# Altium PCB Z693_H93-A_KD01_V1.3_X6.PcbDoc (part 2 of 7) (continued)
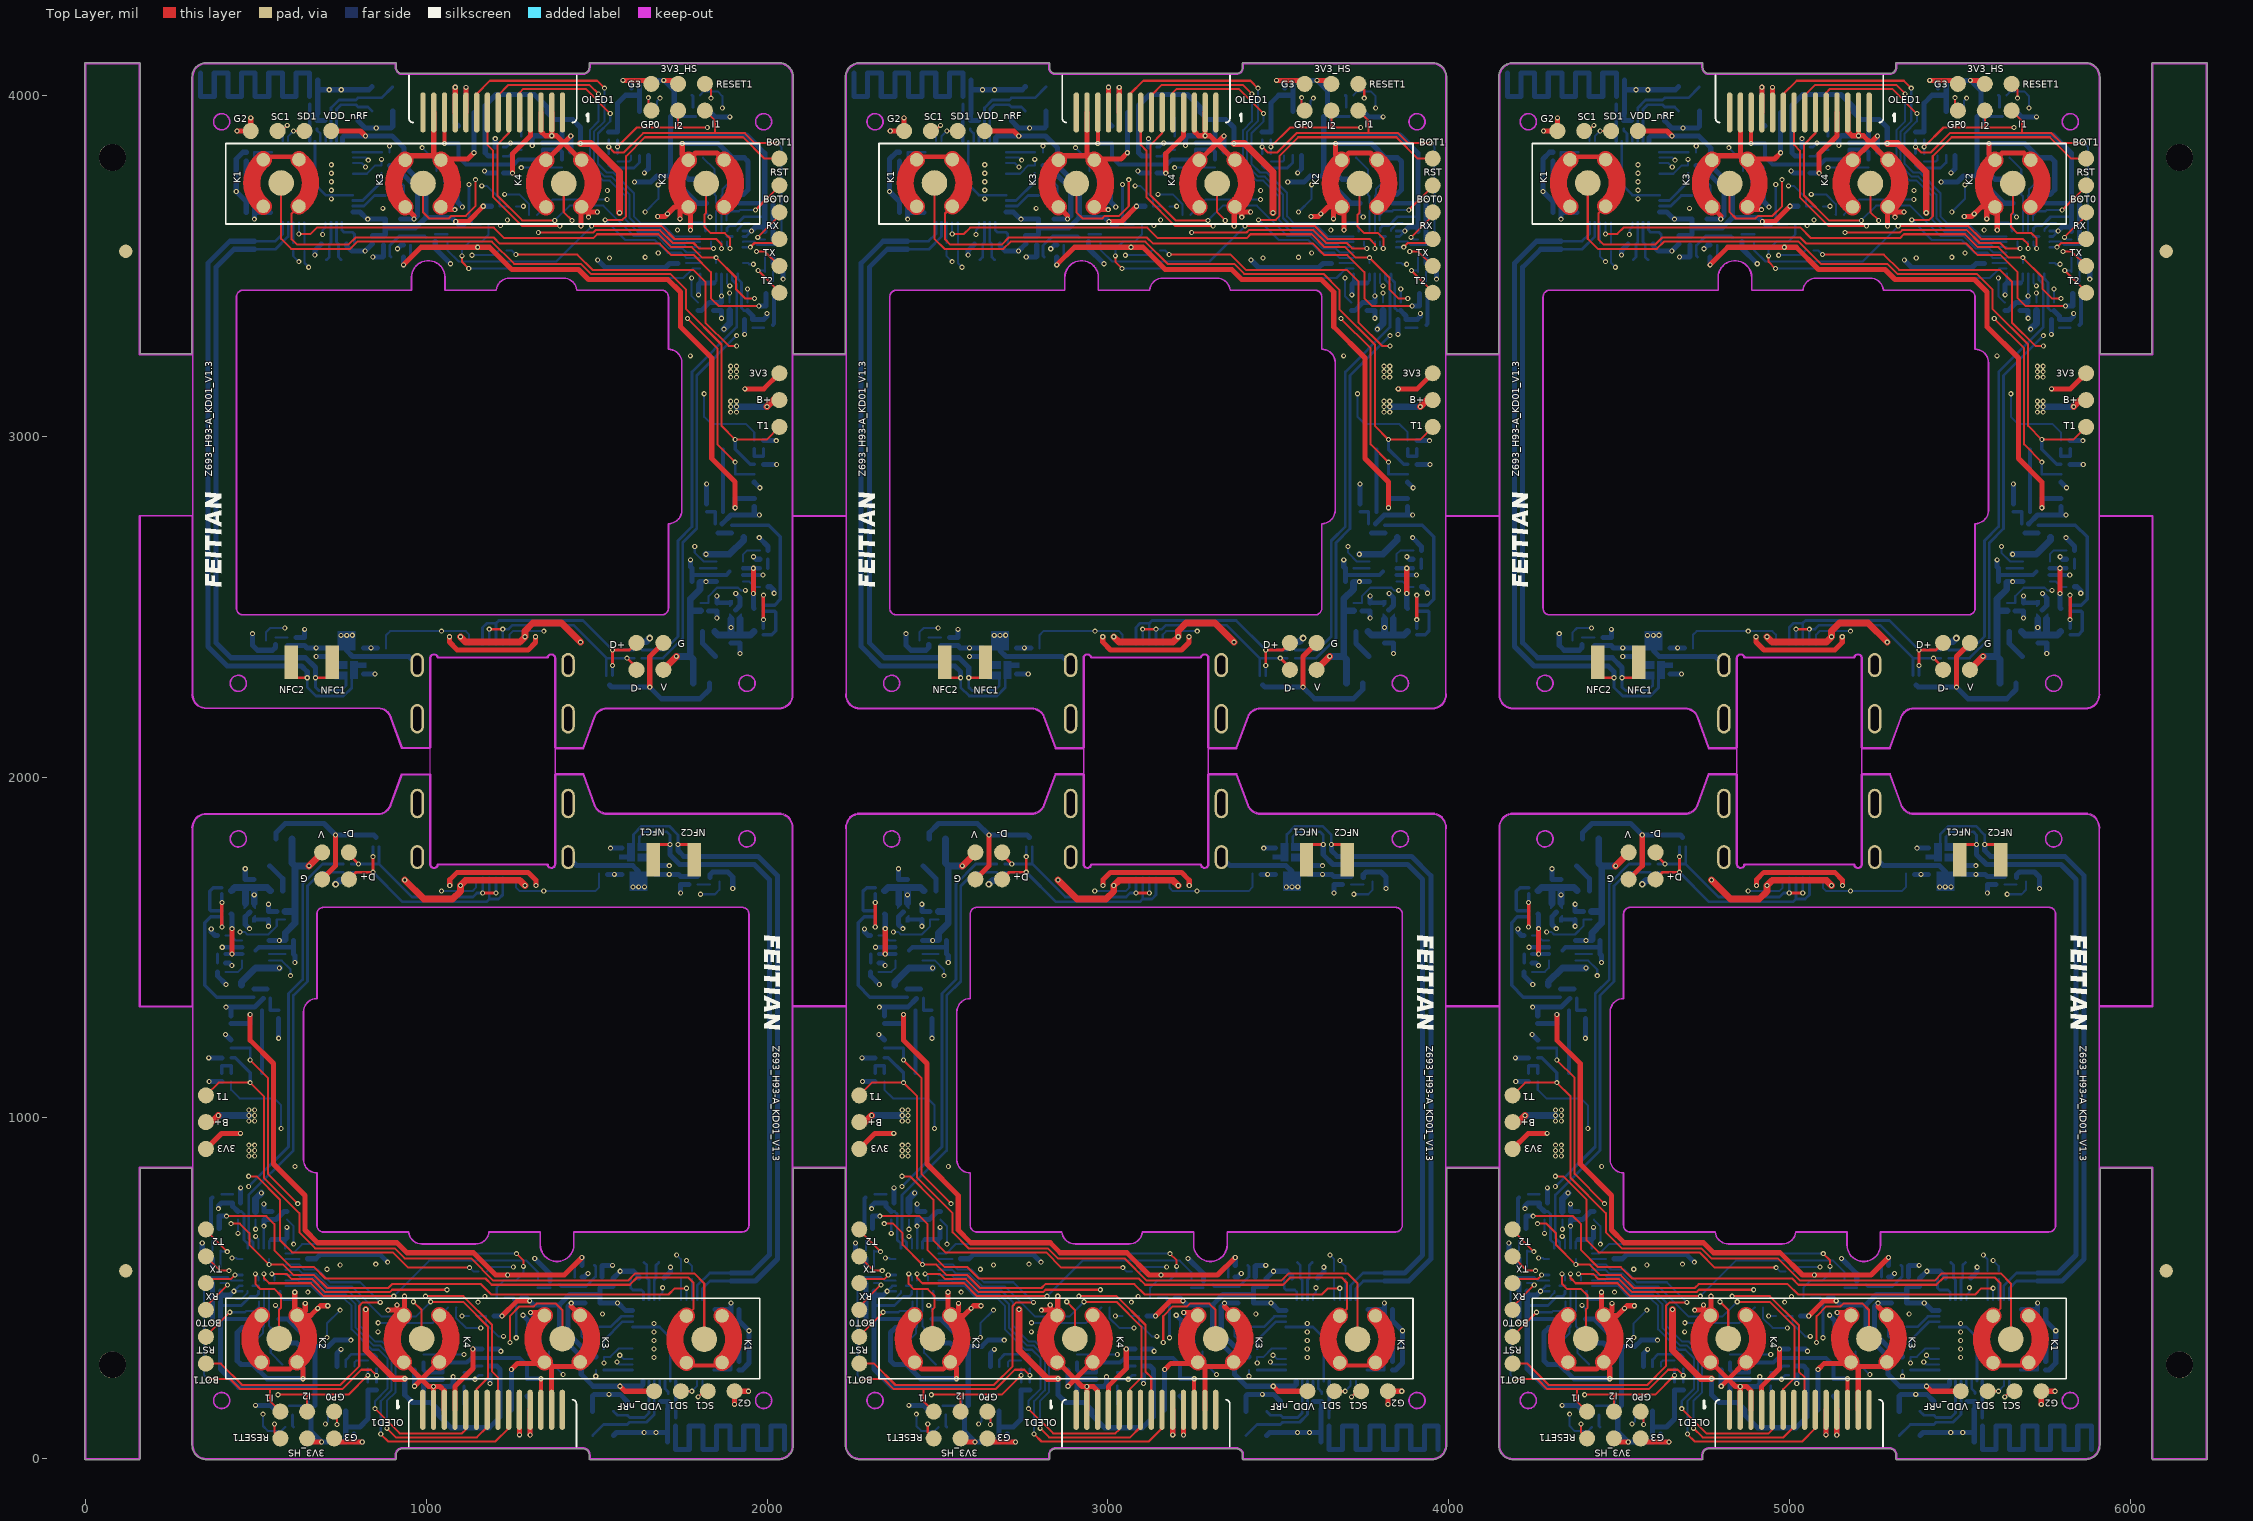
[diagram p0: Top Layer view]
## Components (designator, comment, footprint, x,y, rotation, side; value= is the part's Value field where it differs from the comment) (continued)
TX "" FT_TEST_1#1 2036.37,3500.45 r270 top
U1 "STM32F205RGY6(1M FLASH/128SRAM)" WLCSP64 460.27,617.59 r270 bottom locked
U1 "STM32F205RGY6(1M FLASH/128SRAM)" WLCSP64 2377.59,617.59 r270 bottom locked
U1 "STM32F205RGY6(1M FLASH/128SRAM)" WLCSP64 4294.92,617.59 r270 bottom locked
U1 "STM32F205RGY6(1M FLASH/128SRAM)" WLCSP64 5764.14,3476.9 r90 bottom locked
U1 "STM32F205RGY6(1M FLASH/128SRAM)" WLCSP64 3846.82,3476.9 r90 bottom locked
U1 "STM32F205RGY6(1M FLASH/128SRAM)" WLCSP64 1929.5,3476.9 r90 bottom locked
U2 "WL2815" FT_DFN1X1-4L 482.02,1604.33 r90 bottom
U2 "WL2815" FT_DFN1X1-4L 2399.34,1604.33 r90 bottom
U2 "WL2815" FT_DFN1X1-4L 4316.66,1604.33 r90 bottom
U2 "WL2815" FT_DFN1X1-4L 5742.4,2490.16 r270 bottom
U2 "WL2815" FT_DFN1X1-4L 3825.07,2490.16 r270 bottom
U2 "WL2815" FT_DFN1X1-4L 1907.75,2490.16 r270 bottom
U4 "DFN2*2-8L/WS4538D/2*2*0.75mm" FT_DFN2X2X0.75-8L 459.89,1461.57 r0 bottom
U4 "DFN2*2-8L/WS4538D/2*2*0.75mm" FT_DFN2X2X0.75-8L 2377.21,1461.57 r0 bottom
U4 "DFN2*2-8L/WS4538D/2*2*0.75mm" FT_DFN2X2X0.75-8L 4294.54,1461.57 r0 bottom
U4 "DFN2*2-8L/WS4538D/2*2*0.75mm" FT_DFN2X2X0.75-8L 5764.52,2632.92 r180 bottom
U4 "DFN2*2-8L/WS4538D/2*2*0.75mm" FT_DFN2X2X0.75-8L 3847.2,2632.92 r180 bottom
U4 "DFN2*2-8L/WS4538D/2*2*0.75mm" FT_DFN2X2X0.75-8L 1929.87,2632.92 r180 bottom
U5 "HSC32I1(DFN8)_S2V60" DFN8_NEW_MORE 712.26,270.1 r270 bottom
U5 "HSC32I1(DFN8)_S2V60" DFN8_NEW_MORE 2629.58,270.1 r270 bottom
U5 "HSC32I1(DFN8)_S2V60" DFN8_NEW_MORE 4546.91,270.1 r270 bottom
U5 "HSC32I1(DFN8)_S2V60" DFN8_NEW_MORE 5512.15,3824.4 r90 bottom
U5 "HSC32I1(DFN8)_S2V60" DFN8_NEW_MORE 3594.83,3824.4 r90 bottom
U5 "HSC32I1(DFN8)_S2V60" DFN8_NEW_MORE 1677.5,3824.4 r90 bottom
U6 "nRF52832-QFAA" QFN48N 1724.26,347.1 r270 bottom
U6 "nRF52832-QFAA" QFN48N 3641.58,347.1 r270 bottom
U6 "nRF52832-QFAA" QFN48N 5558.91,347.1 r270 bottom
U6 "nRF52832-QFAA" QFN48N 4500.15,3747.4 r90 bottom
U6 "nRF52832-QFAA" QFN48N 2582.83,3747.4 r90 bottom
U6 "nRF52832-QFAA" QFN48N 665.5,3747.4 r90 bottom
U7 "R1202L511A-TR/DFN1616-6B" DFN1616-6B 1079.26,233.1 r180 bottom
U7 "R1202L511A-TR/DFN1616-6B" DFN1616-6B 2996.58,233.1 r180 bottom
U7 "R1202L511A-TR/DFN1616-6B" DFN1616-6B 4913.91,233.1 r180 bottom
U7 "R1202L511A-TR/DFN1616-6B" DFN1616-6B 5145.15,3861.4 r0 bottom
U7 "R1202L511A-TR/DFN1616-6B" DFN1616-6B 3227.83,3861.4 r0 bottom
U7 "R1202L511A-TR/DFN1616-6B" DFN1616-6B 1310.5,3861.4 r0 bottom
U8 "USP-8B10/XCM414B033D2-G" XCM414-USP-8B10 1672.05,1791.69 r270 bottom
U8 "USP-8B10/XCM414B033D2-G" XCM414-USP-8B10 3589.37,1791.69 r270 bottom
U8 "USP-8B10/XCM414B033D2-G" XCM414-USP-8B10 5506.7,1791.69 r270 bottom
U8 "USP-8B10/XCM414B033D2-G" XCM414-USP-8B10 4552.37,2302.8 r90 bottom
U8 "USP-8B10/XCM414B033D2-G" XCM414-USP-8B10 2635.04,2302.8 r90 bottom
U8 "USP-8B10/XCM414B033D2-G" XCM414-USP-8B10 717.72,2302.8 r90 bottom
V "" FT_TEST_1#1 694.14,1779.24 r90 top
V "" FT_TEST_1#1 2611.47,1779.24 r90 top
V "" FT_TEST_1#1 4528.79,1779.24 r90 top
V "" FT_TEST_1#1 5530.27,2315.25 r270 top
V "" FT_TEST_1#1 3612.95,2315.25 r270 top
V "" FT_TEST_1#1 1695.62,2315.25 r270 top
VDD_nRF "" FT_TEST_1#1 1668.64,198 r0 top
VDD_nRF "" FT_TEST_1#1 3585.96,198 r0 top
VDD_nRF "" FT_TEST_1#1 5503.29,198 r0 top
VDD_nRF "" FT_TEST_1#1 4555.77,3896.49 r180 top
VDD_nRF "" FT_TEST_1#1 2638.45,3896.49 r180 top
VDD_nRF "" FT_TEST_1#1 721.13,3896.49 r180 top
X1 "SMD1610/32.768KHz/12.5P/1.6*1.0*0.5mm/2脚贴装" FT_OSC_32.768M_SMD_2 1639.26,576.1 r0 bottom
X1 "SMD1610/32.768KHz/12.5P/1.6*1.0*0.5mm/2脚贴装" FT_OSC_32.768M_SMD_2 3556.58,576.1 r0 bottom
X1 "SMD1610/32.768KHz/12.5P/1.6*1.0*0.5mm/2脚贴装" FT_OSC_32.768M_SMD_2 5473.91,576.1 r0 bottom
X1 "SMD1610/32.768KHz/12.5P/1.6*1.0*0.5mm/2脚贴装" FT_OSC_32.768M_SMD_2 4585.15,3518.4 r180 bottom
X1 "SMD1610/32.768KHz/12.5P/1.6*1.0*0.5mm/2脚贴装" FT_OSC_32.768M_SMD_2 2667.83,3518.4 r180 bottom
X1 "SMD1610/32.768KHz/12.5P/1.6*1.0*0.5mm/2脚贴装" FT_OSC_32.768M_SMD_2 750.5,3518.4 r180 bottom
X2 "SMD2016/4脚贴装/32MHZ" FT_SMD2520_4 1549.33,139.1 r270 bottom
X2 "SMD2016/4脚贴装/32MHZ" FT_SMD2520_4 3466.65,139.1 r270 bottom
X2 "SMD2016/4脚贴装/32MHZ" FT_SMD2520_4 5383.97,139.1 r270 bottom
X2 "SMD2016/4脚贴装/32MHZ" FT_SMD2520_4 4675.09,3955.39 r90 bottom
X2 "SMD2016/4脚贴装/32MHZ" FT_SMD2520_4 2757.76,3955.39 r90 bottom
X2 "SMD2016/4脚贴装/32MHZ" FT_SMD2520_4 840.44,3955.39 r90 bottom
Y1 "8M" FT_OSC_4-3225 491.27,339.59 r0 bottom
Y1 "8M" FT_OSC_4-3225 2408.59,339.59 r0 bottom
Y1 "8M" FT_OSC_4-3225 4325.92,339.59 r0 bottom
Y1 "8M" FT_OSC_4-3225 5733.14,3754.9 r180 bottom
Y1 "8M" FT_OSC_4-3225 3815.82,3754.9 r180 bottom
Y1 "8M" FT_OSC_4-3225 1898.5,3754.9 r180 bottom
Z693_H93-A_KD01_V1.3 "Z693_H93-A_KD01_V1.3" FT_LOGO_300_Y 1961.8,1545.88 r270 top (schematic designator Z693_H93_KD01_V1.3)
Z693_H93-A_KD01_V1.3 "Z693_H93-A_KD01_V1.3" FT_LOGO_300_Y 3879.13,1545.88 r270 top (schematic designator Z693_H93_KD01_V1.3)
Z693_H93-A_KD01_V1.3 "Z693_H93-A_KD01_V1.3" FT_LOGO_300_Y 5796.45,1545.88 r270 top (schematic designator Z693_H93_KD01_V1.3)
Z693_H93-A_KD01_V1.3 "Z693_H93-A_KD01_V1.3" FT_LOGO_300_Y 4262.61,2548.62 r90 top (schematic designator Z693_H93_KD01_V1.3)
Z693_H93-A_KD01_V1.3 "Z693_H93-A_KD01_V1.3" FT_LOGO_300_Y 2345.28,2548.62 r90 top (schematic designator Z693_H93_KD01_V1.3)
Z693_H93-A_KD01_V1.3 "Z693_H93-A_KD01_V1.3" FT_LOGO_300_Y 427.96,2548.62 r90 top (schematic designator Z693_H93_KD01_V1.3)

## Footprints (in the part's own frame and the unit in brackets; to place one, negate y for a bottom-side part, rotate by r counter-clockwise, add the part's x,y. Pads: shape width x height; smd on the part's side, far side on the other; paste and mask are expansions set on the pad)
DFN8_NEW_MORE [mm]
  rect 1.1x0.3 smd: 1(0,0) 2(0,-0.657) 3(0,-1.31) 4(0,-1.96) 5(3.3,-1.96) 6(3.3,-1.31) 7(3.3,-0.657) 8(3.3,0)
  rect 1.55x2.5 smd: 9(1.65,-0.982)
  silkscreen extent -0.28,-2.48 3.15,0.59
DFN1616-6B [mm]
  rect 0.5x1.3 smd: 0(0,0)
  rect 0.5x0.25 smd: 1(-0.8,0.5) 2(-0.8,0) 3(-0.8,-0.5) 4(0.8,-0.5) 5(0.8,0) 6(0.8,0.5)
  round 0.3 on Bottom Overlay: 8(-1,1.103)
  silkscreen extent -1,-0.8 1,0.9, body extent -0.8,-0.8 0.8,0.8, height 0.6
FT_0201_电容 [mm]
  rect 0.31x0.31 smd mask+0.05: 1(0,0) 2(0.6,0)
  silkscreen extent 0,-0.25 0.6,0.25, body extent 0,-0.15 0.6,0.15, height 0.4
FT_0201_电阻 [mm]
  rect 0.31x0.31 smd mask+0.05: 1(0,0) 2(0.6,0)
  silkscreen extent 0,-0.25 0.6,0.25, body extent 0,-0.15 0.6,0.15, height 0.15
FT_0402_C_3D [mil]
  rrect80% 30x20 smd: 1(0,0) 2(45.2,-0.1)
  silkscreen extent -8,-18 56,18, body extent 3,-10 42,10, height 20
"FT_0603 - C_3D" [mil]
  rect 30x30 smd: 1(0,0) 2(55,0)
  silkscreen extent -2,-21 59,22, body extent -5,-16 58,15, height 35
FT_0805 [mil]
  rect 46x60 smd: 1(0,0) 2(74,0)
  silkscreen extent -3,-40 77,40
FT_0805C [mil]
  rect 46x60 smd: 1(0,0) 2(74,0)
  silkscreen extent -3,-40 77,40, body extent -3,-24 76,25, height 36
FT_BUTTON_5MM#1 [mil]
  round 75 smd: 1(0,0)
  round 40 smd: 2(-68.62,52.44) 2(-68.17,-52.44) 2(68.17,52.44) 2(68.62,-52.44)
  rect 128x60 on Top Solder: 4(0,35) 4(0,-35)
  Top Layer lines w50: 68.62,-52.44 cw(c0.22,0.17) -68.17,-52.44 ; 68.17,52.44 ccw(c-0.22,-0.17) -68.62,52.44
FT_BUTTON_5MM#2 [mil]
  round 75 smd: 1(0,0)
  round 40 smd: 2(-68.62,52.44) 2(-68.17,-52.44) 2(68.17,52.44) 2(68.62,-52.44)
  rect 128x60 on Top Solder: 4(0,35) 4(0,-35)
  Top Layer lines w50: -68.62,52.44 cw(c-0.22,-0.17) 68.17,52.44 ; -68.17,-52.44 ccw(c0.22,0.17) 54.46,-66.94 ccw(c0.22,0.17) 68.62,-52.44
FT_CELL [mm]
  rect 1.2x3 smd: 1(-0.254,0) 2(2.356,0)
FT_DFN1X1-4L [mm]
  rect 0.5x0.5 smd rot 45: 0(-0.002,0.011)
  rect 0.2x0.2 smd: 1(-0.552,0.33) 2(-0.564,-0.333) 3(0.565,-0.327) 4(0.554,0.333)
  Top Layer region: 0.752,-0.196 0.752,-0.451 0.252,-0.451 0.252,-0.381 0.437,-0.196
  Top Layer region: -0.748,-0.196 -0.748,-0.451 -0.248,-0.451 -0.248,-0.381 -0.433,-0.196
  Top Layer region: -0.748,0.204 -0.748,0.459 -0.248,0.459 -0.248,0.389 -0.433,0.204
  Top Layer region: 0.752,0.204 0.752,0.459 0.252,0.459 0.252,0.389 0.437,0.204
  silkscreen extent -1.08,-0.6 0.91,0.79
FT_DFN2X2X0.75-8L [mm]
  rect 0.6x1.2 smd: 0(1,-0.75)
  rect 0.7x0.25 smd: 1(0,0) 2(0,-0.5) 3(0,-1) 4(0,-1.5) 5(2,-1.5) 6(2,-1) 7(2,-0.5) 8(2,0)
  silkscreen extent -0.1,-1.78 2.03,0.61
FT_DFN1006-3L/WPM2049B-3/TR_1.06*0.65*0.4 [mm]
  rect 0.25x0.45 smd: 1(-0.203,-0.711) 2(0.247,-0.711)
  rect 0.7x0.45 smd: 3(0.022,-0.011)
  silkscreen extent -0.82,-1.15 0.58,0.42, body extent -0.3,-0.86 0.33,0.15, height 0.5
FT_DFN1006_WSB5546N-2 [mm]
  rect 0.55x0.6 smd: 1(0.05,0.005) 2(0.95,0.005)
  silkscreen extent -0.41,-0.48 1.64,0.49, body extent 0.03,-0.3 1.03,0.3, height 0.6
FT_DFN1610_1.65*1.05*0.55 [mm]
  rect 0.625x1 smd: 1(0,0) 2(1.2,0)
  silkscreen extent -0.52,-0.71 1.95,0.71, body extent -0.22,-0.53 1.44,0.52, height 0.65
FT_LOGO_300_Y [mil]
  silkscreen extent 10,30 288,76
FT_OSC_4-3225 [mm]
  rect 1.2x1.1 smd: 1(0,0) 2(2.2,0) 3(2.2,1.6) 4(0,1.6)
  silkscreen extent -1.19,-0.71 2.97,2.31, body extent -0.53,-0.46 2.67,2.04, height 0.81
FT_OSC_32.768M_SMD_2 [mm]
  rect 0.5x1 smd: 1(0,0) 2(1.1,0)
  silkscreen extent -0.43,-0.66 1.55,0.66, body extent -0.41,-0.64 1.52,0.61, height 0.5
FT_SMD2520_4 [mm]
  rect 1.1x0.8 smd: 1(0,0)
  rrect50% 1.1x0.8 smd: 2(1.802,0) 3(1.802,1.552) 4(0,1.552)
  silkscreen extent -1.06,-0.55 2.43,2.1, body extent -0.35,-0.22 2.17,1.78, height 0.56
FT_TEST_1#1 [mm]
  round 1.2 smd: 1(0,0)
FT_TEST_1#2 [mm]
  rect 1x2.5 smd: 1(0,0)
OLED14 [mm]
  oval 0.4x3 smd: 1(0,0) 2(0.8,0) 3(1.6,0) 4(2.4,0) 5(3.2,0) 6(4,0) 7(4.8,0) 8(5.6,0) 9(6.4,0) 10(7.2,0) 11(8,0) 12(8.8,0) 13(9.6,0) 14(10.4,0)
  silkscreen extent -1.05,-2.75 11.45,0.75
QFN48N [mm] "QFN, 48-Leads, Body 6,0x6,0mm (max), Pitch 0,40mm, IPC Medium Density"
  oval 0.65x0.2 smd: 1(-3.025,2.2) 2(-3.025,1.8) 3(-3.025,1.4) 4(-3.025,1) 5(-3.025,0.6) 6(-3.025,0.2) 7(-3.025,-0.2) 8(-3.025,-0.6) 9(-3.025,-1) 10(-3.025,-1.4) 11(-3.025,-1.8) 12(-3.025,-2.2) 25(3.025,-2.2) 26(3.025,-1.8) 27(3.025,-1.4) 28(3.025,-1) 29(3.025,-0.6) 30(3.025,-0.2) 31(3.025,0.2) 32(3.025,0.6) 33(3.025,1) 34(3.025,1.4) 35(3.025,1.8) 36(3.025,2.2)
  oval 0.2x0.65 smd: 13(-2.2,-3.025) 14(-1.8,-3.025) 15(-1.4,-3.025) 16(-1,-3.025) 17(-0.6,-3.025) 18(-0.2,-3.025) 19(0.2,-3.025) 20(0.6,-3.025) 21(1,-3.025) 22(1.4,-3.025) 23(1.8,-3.025) 24(2.2,-3.025) 37(2.2,3.025) 38(1.8,3.025) 39(1.4,3.025) 40(1,3.025) 41(0.6,3.025) 42(0.2,3.025) 43(-0.2,3.025) 44(-0.6,3.025) 45(-1,3.025) 46(-1.4,3.025) 47(-1.8,3.025) 48(-2.2,3.025)
  rect 4.7x4.7 smd: 49(0,0)
  silkscreen extent -3.87,-3 3,3, body extent -3,-3 3,3, height 0.9
U22401-1 [mm]
  oval 1x2.2 hole 0.6 slot 1.8 at 90 deg paste-2.54: 0(-5.62,-5.15) 0(5.62,-5.15)
  oval 1x1.8 hole 0.6 slot 1.4 at 90 deg paste-2.54: 0(-5.62,-1.15) 0(5.62,-1.15)
  rect 0.3x1.5 smd paste-2.54 mask+0.05: A1(-3.35,0.4) A4(-2.55,0.4) A5(-1.25,0.4) A6(-0.25,0.4) A7(0.25,0.4) A8(1.25,0.4) A9(2.55,0.4) A12(3.35,0.4) B1(3.05,0.4) B4(2.25,0.4) B5(1.75,0.4) B6(0.75,0.4) B7(-0.75,0.4) B8(-1.75,0.4) B9(-2.25,0.4) B12(-3.05,0.4)
  silkscreen extent -5.62,-7.25 5.62,-0.3
WLCSP64 [mm]
  round 0.3 on Bottom Overlay: 0(-0.483,0.203)
  round 0.27 smd: A1(0,0) A2(0.4,0) A3(0.8,0) A4(1.2,0) A5(1.6,0) A6(2,0) A7(2.4,0) A8(2.8,0) A9(3.2,0) B1(0,-0.4) B2(0.4,-0.4) B3(0.8,-0.4) B4(1.2,-0.4) B5(1.6,-0.4) B6(2,-0.4) B7(2.4,-0.4) B8(2.8,-0.4) B9(3.2,-0.4) C1(0,-0.8) C2(0.4,-0.8) C3(0.8,-0.8) C7(2.4,-0.8) C8(2.8,-0.8) C9(3.2,-0.8) D1(0,-1.2) D2(0.4,-1.2) D3(0.8,-1.2) D7(2.4,-1.2) D8(2.8,-1.2) D9(3.2,-1.2) E1(0,-1.6) E2(0.4,-1.6) E3(0.8,-1.6) E7(2.4,-1.6) E8(2.8,-1.6) E9(3.2,-1.6) F1(0,-2) F2(0.4,-2) F3(0.8,-2) F7(2.4,-2) F8(2.8,-2) F9(3.2,-2) G1(0,-2.4) G2(0.4,-2.4) G3(0.8,-2.4) G7(2.4,-2.4) G8(2.8,-2.4) G9(3.2,-2.4) H1(0,-2.8) H2(0.4,-2.8) H3(0.8,-2.8) H4(1.2,-2.8) H5(1.6,-2.8) H6(2,-2.8) H7(2.4,-2.8) H8(2.8,-2.8) H9(3.2,-2.8) J1(0,-3.2) J2(0.4,-3.2) J3(0.8,-3.2) J4(1.2,-3.2) J5(1.6,-3.2) J6(2,-3.2) J7(2.4,-3.2) J8(2.8,-3.2) J9(3.2,-3.2)
  silkscreen extent -0.25,-3.54 3.45,0.34
XCM414-USP-8B10 [mm]
  rect 1.13x1.34 smd mask+0.05: 0(1.74,1.24)
  rect 0.35x0.4 smd mask+0.05: 1(0,0) 2(0.65,0) 3(1.3,0) 4(1.95,0) 5(1.95,2.48) 6(1.3,2.48) 7(0.65,2.48) 8(0,2.48)
  Top Layer region: 0.405,0.33 0.405,1.29 0.955,1.29 0.955,0.33 0.825,0.33 0.825,-0.187 0.475,-0.187 0.475,0.33
  Top Layer region: -0.375,0.33 -0.375,1.29 0.175,1.29 0.175,-0.187 -0.173,-0.187 -0.173,0.33
  Top Layer region: -0.365,1.52 -0.365,2.07 0.475,2.07 0.475,2.68 0.825,2.68 0.825,2.07 0.955,2.07 0.955,1.52
  silkscreen extent -0.53,-0.62 2.48,2.48

## Part data
3V3 3V3 3V3 3V3 3V3 3V3 B+ B+ B+ B+ B+ B+ D+ D+ D+ D+ D+ D+ D- D- D- D- D- D- G G G G G G NFC1 NFC1 NFC1 NFC1 NFC1 NFC1 NFC2 NFC2 NFC2 NFC2 NFC2 NFC2 T1 T1 T1 T1 T1 T1 T2 T2 T2 T2 T2 T2 V V V V V V: library part JC-1, "JC-2"
3V3_HS 3V3_HS 3V3_HS 3V3_HS 3V3_HS 3V3_HS BOT0 BOT0 BOT0 BOT0 BOT0 BOT0 BOT1 BOT1 BOT1 BOT1 BOT1 BOT1 G2 G2 G2 G2 G2 G2 G3 G3 G3 G3 G3 G3 GP0 GP0 GP0 GP0 GP0 GP0 I1 I1 I1 I1 I1 I1 I2 I2 I2 I2 I2 I2 RESET1 RESET1 RESET1 RESET1 RESET1 RESET1 RST RST RST RST RST RST RX RX RX RX RX RX SC1 SC1 SC1 SC1 SC1 SC1 SD1 SD1 SD1 SD1 SD1 SD1 TX TX TX TX TX TX VDD_nRF VDD_nRF VDD_nRF VDD_nRF VDD_nRF VDD_nRF: library part TEST
C1 C1 C1 C1 C1 C1 C30 C30 C30 C30 C30 C30 C39 C39 C39 C39 C39 C39: "CAP CER .1UF 16V 10% X7R 0603"
C2 C2 C2 C2 C2 C2 C3 C3 C3 C3 C3 C3 C4 C4 C4 C4 C4 C4 C5 C5 C5 C5 C5 C5 C6 C6 C6 C6 C6 C6 C7 C7 C7 C7 C7 C7 C8 C8 C8 C8 C8 C8 C9 C9 C9 C9 C9 C9 C10 C10 C10 C10 C10 C10 C11 C11 C11 C11 C11 C11 C12 C12 C12 C12 C12 C12 C13 C13 C13 C13 C13 C13 C14 C14 C14 C14 C14 C14 C15 C15 C15 C15 C15 C15 C16 C16 C16 C16 C16 C16 C17 C17 C17 C17 C17 C17 C20 C20 C20 C20 C20 C20 C22 C22 C22 C22 C22 C22 C31 C31 C31 C31 C31 C31 C48 C48 C48 C48 C48 C48 C49 C49 C49 C49 C49 C49: library part CAP, "Capacitor"
C18 C18 C18 C18 C18 C18 C21 C21 C21 C21 C21 C21 C24 C24 C24 C24 C24 C24 C26 C26 C26 C26 C26 C26: "Capacitor, NP0, ?%"
C19 C19 C19 C19 C19 C19: library part C0603-1?, "Capacitor, X7R, ?0%"
C23 C23 C23 C23 C23 C23 C27 C27 C27 C27 C27 C27: "Capacitor, X5R, ?0%"
C25 C25 C25 C25 C25 C25 C28 C28 C28 C28 C28 C28 C29 C29 C29 C29 C29 C29 C38 C38 C38 C38 C38 C38: "Capacitor, X7R, ?0%"
C32 C32 C32 C32 C32 C32: library part C0402-0.8p, "Capacitor, NP0, ?%"
C33 C33 C33 C33 C33 C33: library part C0402-N.C., "Not mounted"
C34 C34 C34 C34 C34 C34: library part C0402-1.2p, "Capacitor, NP0, ?.1pF"
C35 C35 C35 C35 C35 C35 C36 C36 C36 C36 C36 C36: library part Cap, "Capacitor"
C40 C40 C40 C40 C40 C40 C41 C41 C41 C41 C41 C41 C42 C42 C42 C42 C42 C42 C43 C43 C43 C43 C43 C43 C46 C46 C46 C46 C46 C46 C47 C47 C47 C47 C47 C47: library part C_Dup1
C44 C44 C44 C44 C44 C44 C45 C45 C45 C45 C45 C45: library part CAP_1, "Capacitor"
D1 D1 D1 D1 D1 D1 D4 D4 D4 D4 D4 D4 D5 D5 D5 D5 D5 D5 D6 D6 D6 D6 D6 D6 D7 D7 D7 D7 D7 D7: library part DIODE_1N4148
D2 D2 D2 D2 D2 D2 U8 U8 U8 U8 U8 U8: library part Component_1
D3 D3 D3 D3 D3 D3: library part DIODE_WY
J1 J1 J1 J1 J1 J1: library part A7101
K1 K1 K1 K1 K1 K1: "SWITCH USE IN H6"
K2 K2 K2 K2 K2 K2 K3 K3 K3 K3 K3 K3 K4 K4 K4 K4 K4 K4: library part BUTTON
L1 L1 L1 L1 L1 L1 L4 L4 L4 L4 L4 L4: library part L0402-15n, "Inductor, 320mA, ?%"
L2 L2 L2 L2 L2 L2: library part L0603-10?, "Inductor, 80mA, ?0%"
L3 L3 L3 L3 L3 L3: library part L0402-3n9, "Inductor, 170mA, ?.1nH"
OLED1 OLED1 OLED1 OLED1 OLED1 OLED1: library part CON5, "Connector"
Q1 Q1 Q1 Q1 Q1 Q1 Q2 Q2 Q2 Q2 Q2 Q2 Q4 Q4 Q4 Q4 Q4 Q4 Q8 Q8 Q8 Q8 Q8 Q8 Q12 Q12 Q12 Q12 Q12 Q12: library part SI2301
Q3 Q3 Q3 Q3 Q3 Q3 Q5 Q5 Q5 Q5 Q5 Q5 Q6 Q6 Q6 Q6 Q6 Q6 Q7 Q7 Q7 Q7 Q7 Q7 Q9 Q9 Q9 Q9 Q9 Q9 Q10 Q10 Q10 Q10 Q10 Q10 Q11 Q11 Q11 Q11 Q11 Q11: library part NMOS-2, "N-Channel Power MOSFET"
R1 R1 R1 R1 R1 R1 R4 R4 R4 R4 R4 R4 R28 R28 R28 R28 R28 R28 R29 R29 R29 R29 R29 R29 R39 R39 R39 R39 R39 R39 R45 R45 R45 R45 R45 R45 R46 R46 R46 R46 R46 R46: "RES 1.0M OHM 1/10W 5% 0603 SMD"
R2 R2 R2 R2 R2 R2: library part RC0603JR-071ML, "RES 1.0M OHM 1/10W 5% 0402 SMD"
R3 R3 R3 R3 R3 R3 R8 R8 R8 R8 R8 R8 R9 R9 R9 R9 R9 R9 R10 R10 R10 R10 R10 R10 R11 R11 R11 R11 R11 R11 R12 R12 R12 R12 R12 R12 R13 R13 R13 R13 R13 R13 R14 R14 R14 R14 R14 R14 R15 R15 R15 R15 R15 R15 R16 R16 R16 R16 R16 R16 R19 R19 R19 R19 R19 R19 R21 R21 R21 R21 R21 R21 R22 R22 R22 R22 R22 R22 R23 R23 R23 R23 R23 R23 R24 R24 R24 R24 R24 R24 R25 R25 R25 R25 R25 R25 R26 R26 R26 R26 R26 R26 R27 R27 R27 R27 R27 R27 R30 R30 R30 R30 R30 R30 R31 R31 R31 R31 R31 R31 R32 R32 R32 R32 R32 R32 R34 R34 R34 R34 R34 R34 R35 R35 R35 R35 R35 R35 R37 R37 R37 R37 R37 R37 R38 R38 R38 R38 R38 R38 R40 R40 R40 R40 R40 R40 R41 R41 R41 R41 R41 R41 R42 R42 R42 R42 R42 R42 R43 R43 R43 R43 R43 R43 R49 R49 R49 R49 R49 R49 R50 R50 R50 R50 R50 R50 R51 R51 R51 R51 R51 R51 R52 R52 R52 R52 R52 R52 R53 R53 R53 R53 R53 R53 R58 R58 R58 R58 R58 R58 R60 R60 R60 R60 R60 R60: library part RES2
R5 R5 R5 R5 R5 R5 R6 R6 R6 R6 R6 R6 R7 R7 R7 R7 R7 R7 R17 R17 R17 R17 R17 R17 R18 R18 R18 R18 R18 R18 R59 R59 R59 R59 R59 R59: library part Resistor, "RES 1.0M OHM 1/10W 5% 0603 SMD"
R20 R20 R20 R20 R20 R20 R44 R44 R44 R44 R44 R44 R47 R47 R47 R47 R47 R47 R48 R48 R48 R48 R48 R48 R54 R54 R54 R54 R54 R54 R55 R55 R55 R55 R55 R55 R56 R56 R56 R56 R56 R56 R57 R57 R57 R57 R57 R57: "RES 10K OHM 1/10W 5% 0603 SMD"
U1 U1 U1 U1 U1 U1: library part STM32F205RxTx
U2 U2 U2 U2 U2 U2: library part CE6200B33F
U4 U4 U4 U4 U4 U4: library part WS4538D
U5 U5 U5 U5 U5 U5: library part HSC32I1(DFB8)_S2V60
U6 U6 U6 U6 U6 U6: "Multi-protocol Bluetooth Low Energy and 2.4GHz proprietary system-on-chip"
U7 U7 U7 U7 U7 U7: library part R1200
X1 X1 X1 X1 X1 X1 X2 X2 X2 X2 X2 X2: "XTAL SMD 2520, 16MHz, 8pF, ?5ppm"
Y1 Y1 Y1 Y1 Y1 Y1: library part OSC_6
Z693_H93-A_KD01_V1.3 Z693_H93-A_KD01_V1.3 Z693_H93-A_KD01_V1.3 Z693_H93-A_KD01_V1.3 Z693_H93-A_KD01_V1.3 Z693_H93-A_KD01_V1.3: library part LOGO

## Free pads (board coordinates)
  round 11.81 smd far side: 0(337.88,4066.93) 0(2051.88,27.56) 0(2255.21,4066.93) 0(3969.21,27.56) 0(4172.53,4066.93) 0(5886.53,27.56)
  round 78.74 hole 78.74: ""(78.74,275.59) ""(78.74,3818.9) ""(6145.67,275.59) ""(6145.67,3818.9)
  round 39.37 all layers, no hole: ""(118.11,551.18) ""(118.11,3543.31) ""(6106.3,551.18) ""(6106.3,3543.31)

## Via types
v1: diameter 15, hole 8, Top Layer to Bottom Layer, tented both sides, 1194 vias
v2: diameter 8, hole 4, Mid-Layer 2 to Bottom Layer, tented bottom, 150 vias
v3: diameter 20, hole 10, Top Layer to Bottom Layer, tented both sides, 6 vias

## Nets (pads, with @x,y where several pads share a name; then routed paths per layer and width w, separated by ;. In a path a pad name is that pad's centre, name@x,y a point inside that pad or via, vN(x,y) a via of type N, cw(c..) or ccw(c..) an arc to the next point about the centre after c; other vN are vias at no path point)
+5V: 
ANT: 
BLE_7816: 
BLE_ANT: 
BLE_CLK: 
BLE_IO: 
BLE_RST: 
CS: 
ENROLL: 
FLASH_CS: 
FLASH_SCK: 
FLASH_SI: 
FLASH_SO: 
GND: 
I2C_IRQ_IN: 
ICE: 
LEDG: 
LEDR: 
MCU_7816: 
MISO: 
MOSI: 
NetC3_1: 
NetC5_1: 
NetC5_2: 
NetC10_2: 
NetC16_2: 
NetC17_1: 
NetC19_2: 
NetC23_1: 
NetC31_2: 
NetD8_1: 
NetD8_2: 
NetD9_1: 
NetD10_1: 
NetP23_1: 
NetP27_1: 
NetP28_1: 
NetR12_1: 
NetR13_1: 
OFFSET: 
READY: 
RF: 
SCL: 
SDA: 
SE_CLK: 
SE_IO: 
SE_RST: 
SE_RST_MCU: 
SPARE: 
SPICLK: 
STBY_N: 
SWCLK: 
SWDIO: 
USART1_RX: 
USART1_TX: 
VAB: 
VCC: 
VIO: 
VPP: 
VSE: 
XTAL_IN: 
XTAL_OUT: 
pads on no net: 3V3.1 3V3_HS.1 B+.1 Battery.1 Battery.2 BOT0.1 BOT1.1 C1.1 C1.2 C2.1 C2.2 C3.1 C3.2 C4.1 C4.2 C5.1 C5.2 C6.1 C6.2 C7.1 C7.2 C8.1 C8.2 C9.1 C9.2 C10.1 C10.2 C11.1 C11.2 C12.1 C12.2 C13.1 C13.2 C14.1 C14.2 C15.1 C15.2 C16.1 C16.2 C17.1 C17.2 C18.1 C18.2 C19.1 C19.2 C20.1 C20.2 C21.1 C21.2 C22.1 C22.2 C23.1 C23.2 C24.1 C24.2 C25.1 C25.2 C26.1 C26.2 C27.1 C27.2 C28.1 C28.2 C29.1 C29.2 C30.1 C30.2 C31.1 C31.2 C32.1 C32.2 C33.1 C33.2 C34.1 C34.2 C35.1 C35.2 C36.1 C36.2 C38.1 C38.2 C39.1 C39.2 C40.1 C40.2 C41.1 C41.2 C42.1 C42.2 C43.1 C43.2 C44.1 C44.2 C45.1 C45.2 C46.1 C46.2 C47.1 C47.2 C48.1 C48.2 C49.1 C49.2 D1.1 D1.2 D2.1 D2.2 D2.3 D3.1 D3.2 D4.1 D4.2 D5.1 D5.2 D6.1 D6.2 D7.1 D7.2 D+.1 D-.1 G2.1 G3.1 G.1 GP0.1 I1.1 I2.1 J1.0 J1.A1 J1.A4 J1.A5 J1.A6 J1.A7 J1.A8 J1.A9 J1.A12 J1.B1 J1.B4 J1.B5 J1.B6 J1.B7 J1.B8 J1.B9 J1.B12 K1.1 K1.2 K1.4 K2.1 K2.2 K2.4 K3.1 K3.2 K3.4 K4.1 K4.2 K4.4 L1.1 L1.2 L2.1 L2.2 L3.1 L3.2 L4.1 L4.2 NFC1.1 NFC2.1 OLED1.1 OLED1.2 OLED1.3 OLED1.4 OLED1.5 OLED1.6 OLED1.7 OLED1.8 OLED1.9 OLED1.10 OLED1.11 OLED1.12 OLED1.13 OLED1.14 Q1.1 Q1.2 Q1.3 Q2.1 Q2.2 Q2.3 Q3.1 Q3.2 Q3.3 Q4.1 Q4.2 Q4.3 Q5.1 Q5.2 Q5.3 Q6.1 Q6.2 Q6.3 Q7.1 Q7.2 Q7.3 Q8.1 Q8.2 Q8.3 Q9.1 Q9.2 Q9.3 Q10.1 Q10.2 Q10.3 Q11.1 Q11.2 Q11.3 Q12.1 Q12.2 Q12.3 R1.1 R1.2 R2.1 R2.2 R3.1 R3.2 R4.1 R4.2 R5.1 R5.2 R6.1 R6.2 R7.1 R7.2 R8.1 R8.2 R9.1 R9.2 R10.1 R10.2 R11.1 R11.2 R12.1 R12.2 R13.1 R13.2 R14.1 R14.2 R15.1 R15.2 R16.1 R16.2 R17.1 R17.2 R18.1 R18.2 R19.1 R19.2 R20.1 R20.2 R21.1 R21.2 R22.1 R22.2 R23.1 R23.2 R24.1 R24.2 R25.1 R25.2 R26.1 R26.2 R27.1 R27.2 R28.1 R28.2 R29.1 R29.2 R30.1 R30.2 R31.1 R31.2 R32.1 R32.2 R34.1 R34.2 R35.1 R35.2 R37.1 R37.2 R38.1 R38.2 R39.1 R39.2 R40.1 R40.2 R41.1 R41.2 R42.1 R42.2 R43.1 R43.2 R44.1 R44.2 R45.1 R45.2 R46.1 R46.2 R47.1 R47.2 R48.1 R48.2 R49.1 R49.2 R50.1 R50.2 R51.1 R51.2 R52.1 R52.2 R53.1 R53.2 R54.1 R54.2 R55.1 R55.2 R56.1 R56.2 R57.1 R57.2 R58.1 R58.2 R59.1 R59.2 R60.1 R60.2 RESET1.1 RST.1 RX.1 SC1.1 SD1.1 T1.1 T2.1 TX.1 U1.0 U1.A1 U1.A2 U1.A3 U1.A4 U1.A5 U1.A6 U1.A7 U1.A8 U1.A9 U1.B1 U1.B2 U1.B3 U1.B4 U1.B5 U1.B6 U1.B7 U1.B8 U1.B9 U1.C1 U1.C2 U1.C3 U1.C7 U1.C8 U1.C9 U1.D1 U1.D2 U1.D3 U1.D7 U1.D8 U1.D9 U1.E1 U1.E2 U1.E3 U1.E7 U1.E8 U1.E9 U1.F1 U1.F2 U1.F3 U1.F7 U1.F8 U1.F9 U1.G1 U1.G2 U1.G3 U1.G7 U1.G8 U1.G9 U1.H1 U1.H2 U1.H3 U1.H4 U1.H5 U1.H6 U1.H7 U1.H8 U1.H9 U1.J1 U1.J2 U1.J3 U1.J4 U1.J5 U1.J6 U1.J7 U1.J8 U1.J9 U2.0 U2.1 U2.2 U2.3 U2.4 U4.0 U4.1 U4.2 U4.3 U4.4 U4.5 U4.6 U4.7 U4.8 U5.1 U5.2 U5.3 U5.4 U5.5 U5.6 U5.7 U5.8 U5.9 U6.1 U6.2 U6.3 U6.4 U6.5 U6.6 U6.7 U6.8 U6.9 U6.10 U6.11 U6.12 U6.13 U6.14 U6.15 U6.16 U6.17 U6.18 U6.19 U6.20 U6.21 U6.22 U6.23 U6.24 U6.25 U6.26 U6.27 U6.28 U6.29 U6.30 U6.31 U6.32 U6.33 U6.34 U6.35 U6.36 U6.37 U6.38 U6.39 U6.40 U6.41 U6.42 U6.43 U6.44 U6.45 U6.46 U6.47 U6.48 U6.49 U7.0 U7.1 U7.2 U7.3 U7.4 U7.5 U7.6 U7.8 U8.0 U8.1 U8.2 U8.3 U8.4 U8.5 U8.6 U8.7 U8.8 V.1 VDD_nRF.1 X1.1 X1.2 X2.1 X2.2 X2.3 X2.4 Y1.1 Y1.2 Y1.3 Y1.4